# KiCad board controller.kicad_pcb (continued)
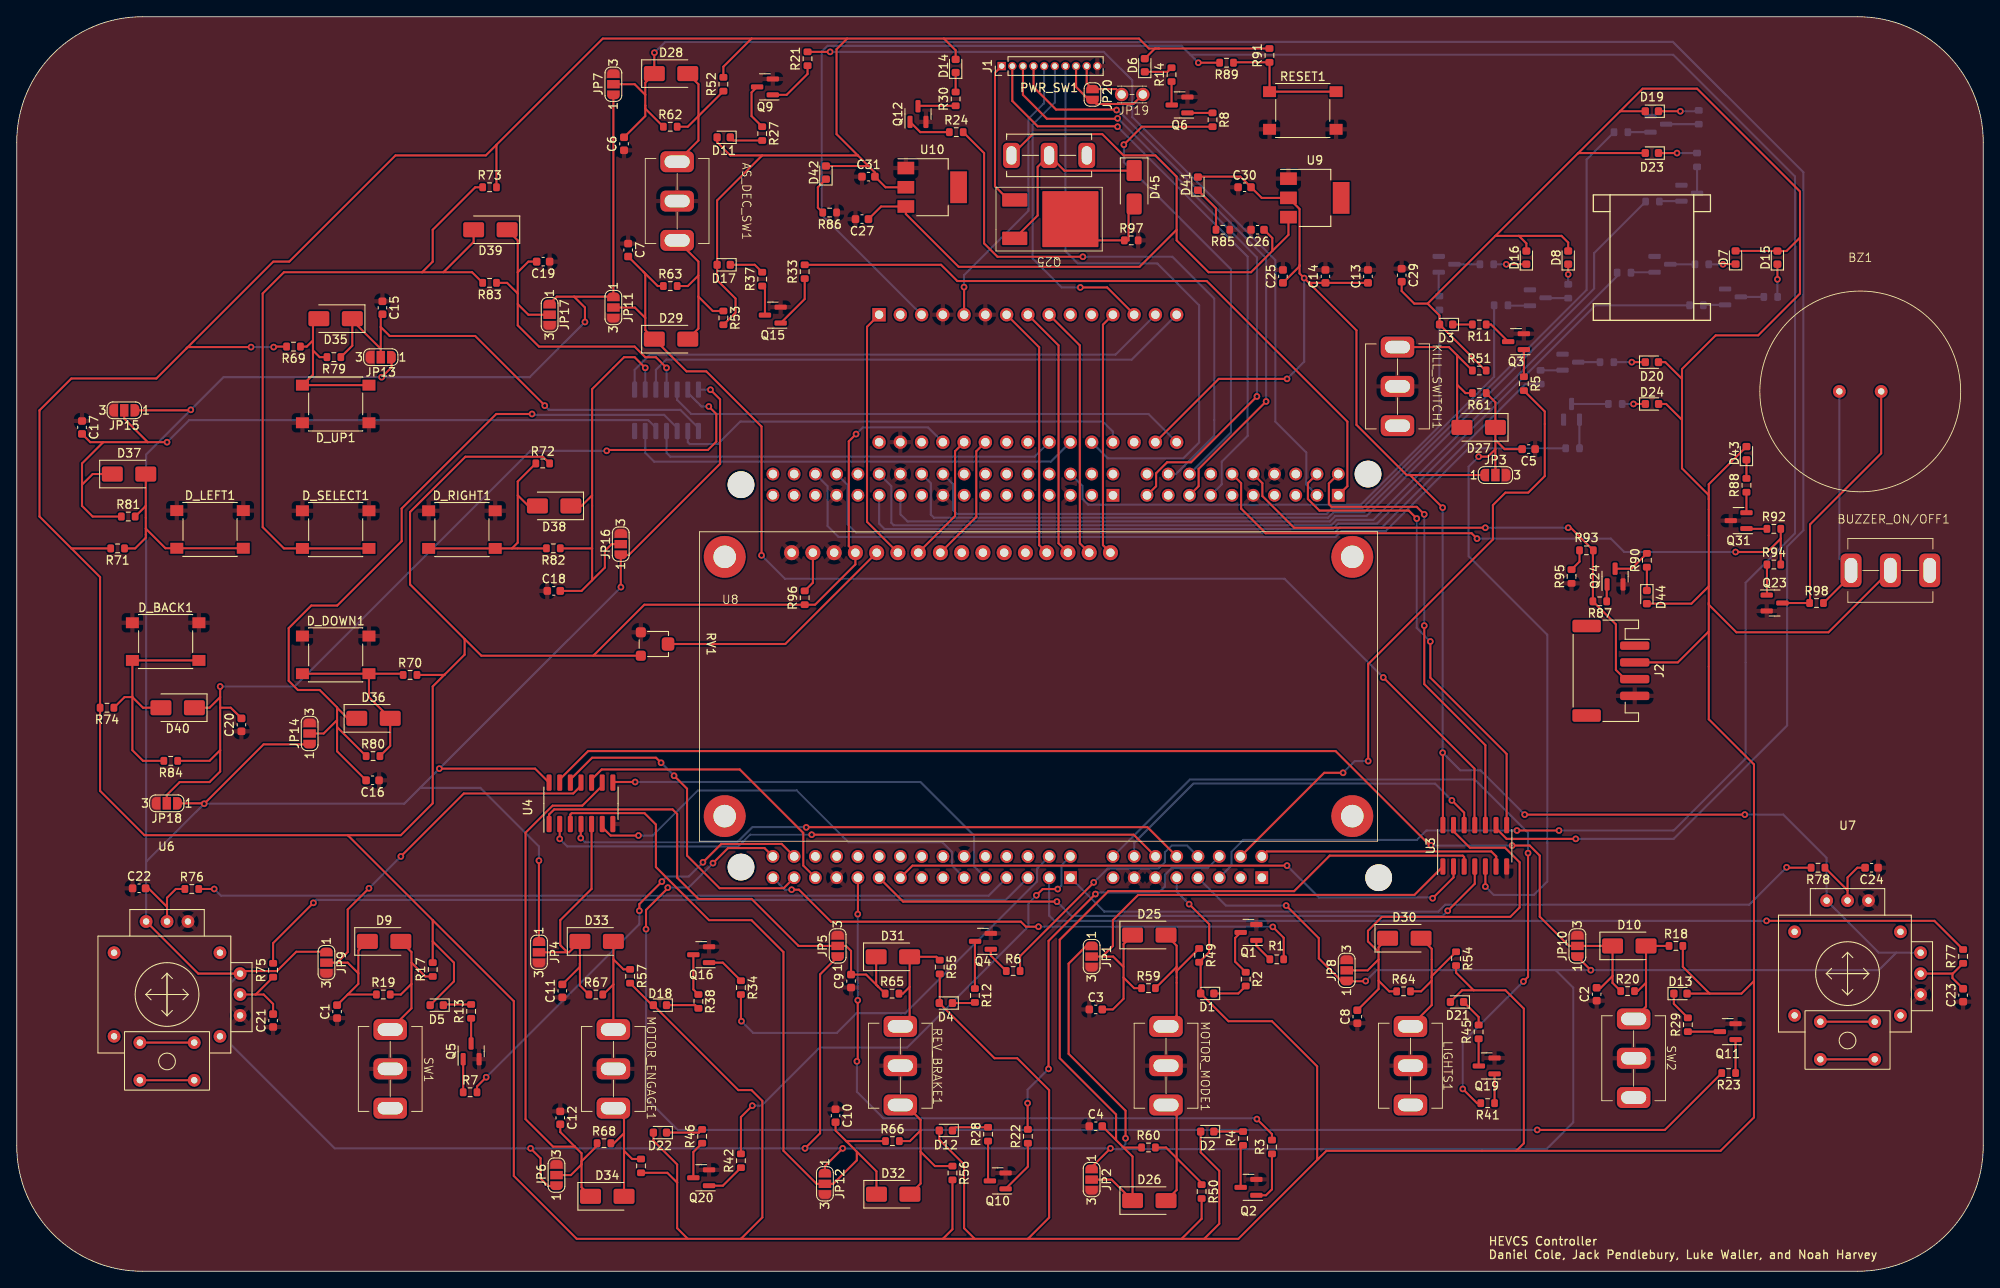
[diagram p0: board, top side]
## Routing (per net, layer and track width the routed paths; a pad name or vN(x,y) marks a point on that pad's centre or on a via; arc(x,y) is an arc through that point) (continued)
Net-(D8-K): length 2.4
  Top w0.25: D8.1 v1(185.4,119.2)
  Bottom w0.25: v1(185.4,119.2) R16.2
Net-(D9-A): length 18.4
  Top w0.25: 47.17,36.9 48.82,35.25 R17.1 ; 47.17,36.9 47.17,38.17 D9.2 ; 47.17,36.9 47.17,34.36 ; SW1.1 47.17,31.44 47.17,34.36 ; 47.17,34.36 45.9,33.09 R19.2
Net-(D10-A): length 13.9
  Top w0.25: SW2.1 194.7,31.65 194.7,34.5 ; 194.7,34.5 D10.2 R18.1 ; 194.7,34.5 193.7,33.5 R20.2
Net-(D11-K): length 4
  Top w0.25: D11.1 85.65,135.2 R27.2
Net-(D12-K): length 4.4
  Top w0.25: D12.1 112.2,17.21 R28.2
Net-(D13-K): length 3.6
  Top w0.25: R29.2 198.03,31.97 D13.1
Net-(D14-K): length 2.3
  Top w0.25: D14.1 R30.2
Net-(D15-K): length 3.9
  Top w0.25: D15.1 v1(210.4,118.6)
  Bottom w0.25: v1(210.4,118.6) 210.4,116.53 R31.2
Net-(D16-K): length 3.9
  Top w0.25: D16.1 178.01,120.41 v1(178,120.4)
  Bottom w0.25: v1(178,120.4) R32.2
Net-(D17-K): length 4.2
  Top w0.25: R37.2 88.19,120.34 D17.1
Net-(D18-K): length 4
  Top w0.25: R38.2 81.08,31.82 D18.1
Net-(D19-K): length 4.9
  Top w0.25: D19.1 v1(198.8,138.7)
  Bottom w0.25: R39.2 200.9,138.7 v1(198.8,138.7)
Net-(D20-K): length 3.8
  Top w0.25: D20.1 v1(193,108.7)
  Bottom w0.25: v1(193,108.7) R40.2
Net-(D21-K): length 3.5
  Top w0.25: D21.1 174.7,30.4 R45.2
Net-(D22-K): length 4.4
  Top w0.25: R46.2 81.53,16.58 D22.1
Net-(D23-K): length 4.6
  Top w0.25: D23.1 v1(198.4,133.7)
  Bottom w0.25: v1(198.4,133.7) R47.2
Net-(D24-K): length 2.8
  Top w0.25: D24.1 v1(193.2,103.7)
  Bottom w0.25: v1(193.2,103.7) R48.2
Net-(D25-A): length 19.5
  Top w0.25: 138.61,36.39 138.61,38.93 D25.2 ; 138.61,36.39 138.61,35.8 ; 138.61,36.39 R59.2 ; MOTOR_MODE1.1 138.61,30.55 138.61,35.8 ; 138.61,35.8 138.61,35.91 R49.1
Net-(D26-A): length 20
  Top w0.25: R50.1 141.59,10.54 137.34,14.8 R60.2 ; MOTOR_MODE1.3 138.61,18.61 138.61,9.72 D26.2
Net-(D27-A): length 21.2
  Top w0.25: 172.12,106 172.12,109.53 ; 172.12,106 172.12,101.47 D27.2 ; 172.12,106 173.12,105 R61.2 ; 172.12,109.53 171.15,110.5 KILL_SWITCH1.1 ; 172.12,109.53 R51.1
Net-(D28-A): length 19.4
  Top w0.25: AS_DEC_SW1.1 81.46,135.2 81.46,138.12 ; 81.46,138.12 80.19,136.85 R62.2 ; 81.46,138.12 81.46,141.93 D28.2 ; 81.46,138.12 R52.1
Net-(D29-A): length 20.1
  Top w0.25: D29.2 81.46,112.72 81.46,116.53 ; R63.2 80.19,117.8 81.46,119.07 ; 81.46,116.53 81.46,119.07 ; 81.46,116.53 83.17,114.81 R53.1 ; 81.46,119.07 81.46,120.72 AS_DEC_SW1.3
Net-(D30-A): length 19.5
  Top w0.25: D30.2 169.09,38.55 169.09,35.1 ; 169.09,35.1 169.09,34.74 ; 169.09,35.1 169.09,35.29 R54.1 ; 169.09,34.74 169.09,31.82 LIGHTS1.1 ; 169.09,34.74 167.82,33.47 R64.2
Net-(D31-A): length 14.2
  Top w0.25: 106.7,34 D31.2 109.9,37.6 R55.1 ; 106.7,34 106.7,30.39 REV_BRAKE1.1 ; 106.7,34 105.9,33.2 105.43,33.2
Net-(D32-A): length 20.2
  Top w0.25: 111.82,12.58 109.72,12.58 108.01,14.29 ; 108.01,14.29 108.01,10.48 D32.2 ; 108.01,14.29 108.01,16.83 ; 108.01,16.83 108.01,18.1 106.23,19.88 REV_BRAKE1.3 ; 108.01,16.83 106.74,15.56 R66.2
Net-(D33-A): length 14.8
  Top w0.25: 71.3,37.3 72.5,36.1 R57.1 ; 71.3,37.3 D33.2 ; 71.3,37.3 71.3,34.3 ; 71.3,34.3 MOTOR_ENGAGE1.1 ; 71.3,34.3 70.09,33.09 R67.2
Net-(D34-A): length 15.6
  Top w0.25: D34.2 72.57,14.4 ; 72.57,14.4 72.57,16.5 ; 72.57,14.4 73.55,13.43 R58.1 ; 72.57,16.5 72.57,18.23 MOTOR_ENGAGE1.3 ; 72.57,16.5 71.38,15.31 R68.2
Net-(D35-A): length 20.5
  Top w0.25: 37.08,109.3 36.2,109.3 35.4,110.1 ; R69.1 34.66,110.56 35.4,111.3 ; D_UP1.2 D_UP1.2 34.15,105.95 35.4,107.2 35.4,110.1 ; 35.4,110.1 35.4,111.3 ; 35.4,111.3 35.4,113.2 D35.2
Net-(D36-A): length 23.5
  Top w0.25: R80.2 44.63,62.83 D36.2 42.09,68.65 D_DOWN1.2 ; D_DOWN1.2 D_DOWN1.2 ; D_DOWN1.2 46.03,71.45 R70.1
Net-(D37-A): length 25.1
  Top w0.25: 15.42,88.8 17.77,86.45 D_LEFT1.2 D_LEFT1.2 ; 15.42,88.8 15.42,91.51 ; 15.42,88.8 15.42,87.7 14.15,86.43 R71.1 ; R81.2 15.42,91.51 ; 15.42,91.51 D37.2
Net-(D38-A): length 28.3
  Top w0.25: 59.18,86.43 59.87,87.12 59.87,94.43 R72.1 ; 59.18,86.43 D_RIGHT1.2 49.22,86.43 ; 59.18,86.43 63.29,86.43 R82.2 ; 59.87,92.78 61.14,91.51 D38.2
Net-(D39-A): length 89.8
  Top w0.25: D_SELECT1.2 D_SELECT1.2 31.93,86.43 29.39,88.97 29.39,116.91 31.93,119.45 48.44,119.45 ; 48.44,119.45 49.71,120.72 49.71,124.53 54.79,129.61 R73.1 ; 48.44,119.45 54.41,119.45 R83.2 ; D39.2 54.6,123.07 50.98,119.45
Net-(D40-A): length 29.6
  Top w0.25: 13.82,68.65 13.82,62.3 15.09,61.03 R84.2 ; 13.82,68.65 12.88,68.65 R74.1 ; 13.82,68.65 15.09,67.38 D40.2 ; 13.82,68.65 D_BACK1.2 D_BACK1.2
Net-(D41-K): length 5.6
  Top w0.25: R85.2 143.31,127.09 D41.1
Net-(D42-K): length 4.6
  Top w0.25: 96.7,130.57 95.73,129.61 95.73,127.17 R86.2
Net-(D43-K): length 2.2
  Top w0.25: R88.2 D43.1
Net-(D44-K): length 2.8
  Top w0.25: R90.2 D44.1
Net-(D45-A): length 12.6
  Top w0.25: D45.2 132.87,126.94 132.87,123.26 128.45,123.26 Q25.2
Net-(D45-K): length 22.5
  Top w0.25: Q25.3 122,126.24 122,132.05 PWR_SW1.2 125.19,131.59 133.51,131.59 D45.1
Net-(J1-Pin_8): length 11.8
  Top w0.25: J1.8 126.59,141.6 128.14,140.05 JP20.2 129.03,139.57 133.44,139.57 JP19.2
Net-(J1-Pin_9): length 6.8
  Top w0.25: J1.9 127.86,142.04 JP20.1 131.38,141.35 JP19.1
Net-(Q1-B): length 2.9
  Top w0.25: R1.1 148.13,38.92 Q1.1
Net-(Q1-C): length 5.6
  Top w0.25: Q1.3 145.59,39.85 145.59,37.03 R2.1
Net-(Q2-B): length 6.4
  Top w0.25: R3.1 150,9.8 149.28,9.09 Q2.1
Net-(Q2-C): length 5.1
  Top w0.25: R4.1 146.26,14.77 Q2.3
Net-(Q3-B): length 3.2
  Top w0.25: Q3.1 R5.1
Net-(Q3-C): length 3.5
  Top w0.25: R11.1 176.18,113.2 Q3.3
Net-(Q4-B): length 3.4
  Top w0.25: Q4.1 116.4,37.75 R6.1
Net-(Q4-C): length 5.7
  Top w0.25: R12.1 114.5,39.42 Q4.3
Net-(Q5-B): length 4
  Top w0.25: Q5.1 R7.1
Net-(Q5-C): length 3
  Top w0.25: R13.1 Q5.3
Net-(Q6-B): length 3
  Top w0.25: Q6.1 R8.1
Net-(Q6-C): length 2.8
  Top w0.25: Q6.3 138,139.47 R14.1
Net-(Q7-B): length 2.8
  Bottom w0.25: R9.1 192.95,119.45 Q7.1
Net-(Q7-C): length 3
  Bottom w0.25: R15.1 Q7.3
Net-(Q8-B): length 2.6
  Bottom w0.25: R25.1 201.6,115.55 Q8.1
Net-(Q8-C): length 2.8
  Bottom w0.25: R31.1 Q8.3
Net-(Q9-B): length 6.2
  Top w0.25: R21.1 94.5,143.16 92,140.66 Q9.1
Net-(Q9-C): length 5.6
  Top w0.25: Q9.3 87.81,140.94 87.81,138.12 R27.1
Net-(Q10-B): length 6.6
  Top w0.25: R22.1 120.83,12.52 Q10.1
Net-(Q10-C): length 4.9
  Top w0.25: Q10.3 116.07,11.02 R28.1
Net-(Q11-B): length 4
  Top w0.25: Q11.1 R23.1
Net-(Q11-C): length 3.8
  Top w0.25: R29.1 Q11.3
Net-(Q12-B): length 5.2
  Top w0.25: R24.1 107.97,136.2 Q12.1
Net-(Q12-C): length 4.5
  Top w0.25: Q12.3 107.75,139.35 R30.1
Net-(Q13-B): length 2.6
  Bottom w0.25: Q13.1 184.7,107.72 R36.1
Net-(Q13-C): length 2.6
  Bottom w0.25: Q13.3 R40.1
Net-(Q14-B): length 3.4
  Bottom w0.25: Q14.1 R44.1
Net-(Q14-C): length 4.4
  Bottom w0.25: R48.1 Q14.3
Net-(Q15-B): length 6.5
  Top w0.25: R33.1 94.16,116.25 Q15.1
Net-(Q15-C): length 3.6
  Top w0.25: Q15.3 89.41,117.47 R37.1
Net-(Q16-B): length 4.7
  Top w0.25: Q16.1 84.38,36.9 R34.1
Net-(Q16-C): length 5
  Top w0.25: Q16.3 80.86,33.69 R38.1
Net-(Q17-B): length 2.7
  Bottom w0.25: Q17.1 R35.1
Net-(Q17-C): length 3.9
  Bottom w0.25: R39.1 Q17.3
Net-(Q18-B): length 2.6
  Bottom w0.25: R10.1 178.25,115.45 Q18.1
Net-(Q18-C): length 2.7
  Bottom w0.25: Q18.3 182.75,116.35 R16.1
Net-(Q19-B): length 3.5
  Top w0.25: Q19.1 R41.1
Net-(Q19-C): length 3.3
  Top w0.25: Q19.3 174.7,24.57 R45.1
Net-(Q20-B): length 4.7
  Top w0.25: Q20.1 84.38,10.23 R42.1
Net-(Q20-C): length 4.6
  Top w0.25: Q20.3 80.86,14.26 R46.1
Net-(Q21-B): length 2.6
  Bottom w0.25: R43.1 196.35,127.95 Q21.1
Net-(Q21-C): length 3.1
  Bottom w0.25: R47.1 Q21.3
Net-(Q22-B): length 2.9
  Bottom w0.25: R26.1 169.93,116.67 Q22.1
Net-(Q22-C): length 3
  Bottom w0.25: R32.1 Q22.3
Net-(Q23-B): length 3.7
  Top w0.25: R94.1 209.15,80.88 Q23.1
Net-(Q24-B): length 2
  Top w0.25: Q24.1 190,82.08 R87.1
Net-(Q24-C): length 4.6
  Top w0.25: Q24.3 192.96,84 R90.1
Net-(Q26-G): length 2.7
  Top w0.25: R93.2 186.75,84.85 R95.1
Net-(Q31-B): length 2.5
  Top w0.25: Q31.1 206.73,88.77 R92.2
Net-(Q31-E): length 2.5
  Top w0.25: Q31.2 R88.1
Net-(RESET1-A): length 15.8
  Top w0.25: RESET1.1 RESET1.1 149.71,144.54 R91.1 145.45,144.55 R89.1
Net-(U8-LEDA): length 5
  Top w0.25: R96.2 95.14,82.33 U8.2
Net-(U8-Vo): length 29.5
  Top w0.25: RV1.2 91.84,75 U8.5
unconnected-(U6-PadSW1): length 6.5
  Top w0.25: U6.SW1 U6.SW1
unconnected-(U6-PadSW2): length 6.5
  Top w0.25: U6.SW2 U6.SW2
unconnected-(U7-PadSW1): length 6.5
  Top w0.25: U7.SW1 U7.SW1
unconnected-(U7-PadSW2): length 6.5
  Top w0.25: U7.SW2 U7.SW2

## Copper pours and planes (outline as drawn; the poured copper is in the pictures)
Earth on Top: 0,150 235,150 235,0 0,0
Earth on Bottom: 0,150 235,150 235,0 0,0

## Text on the board
F.Silkscreen: HEVCS Controller / Daniel Cole, Jack Pendlebury, Luke Waller, and Noah Harvey
